# KiCad board mse-50-idc-panel.kicad_pcb (continued)
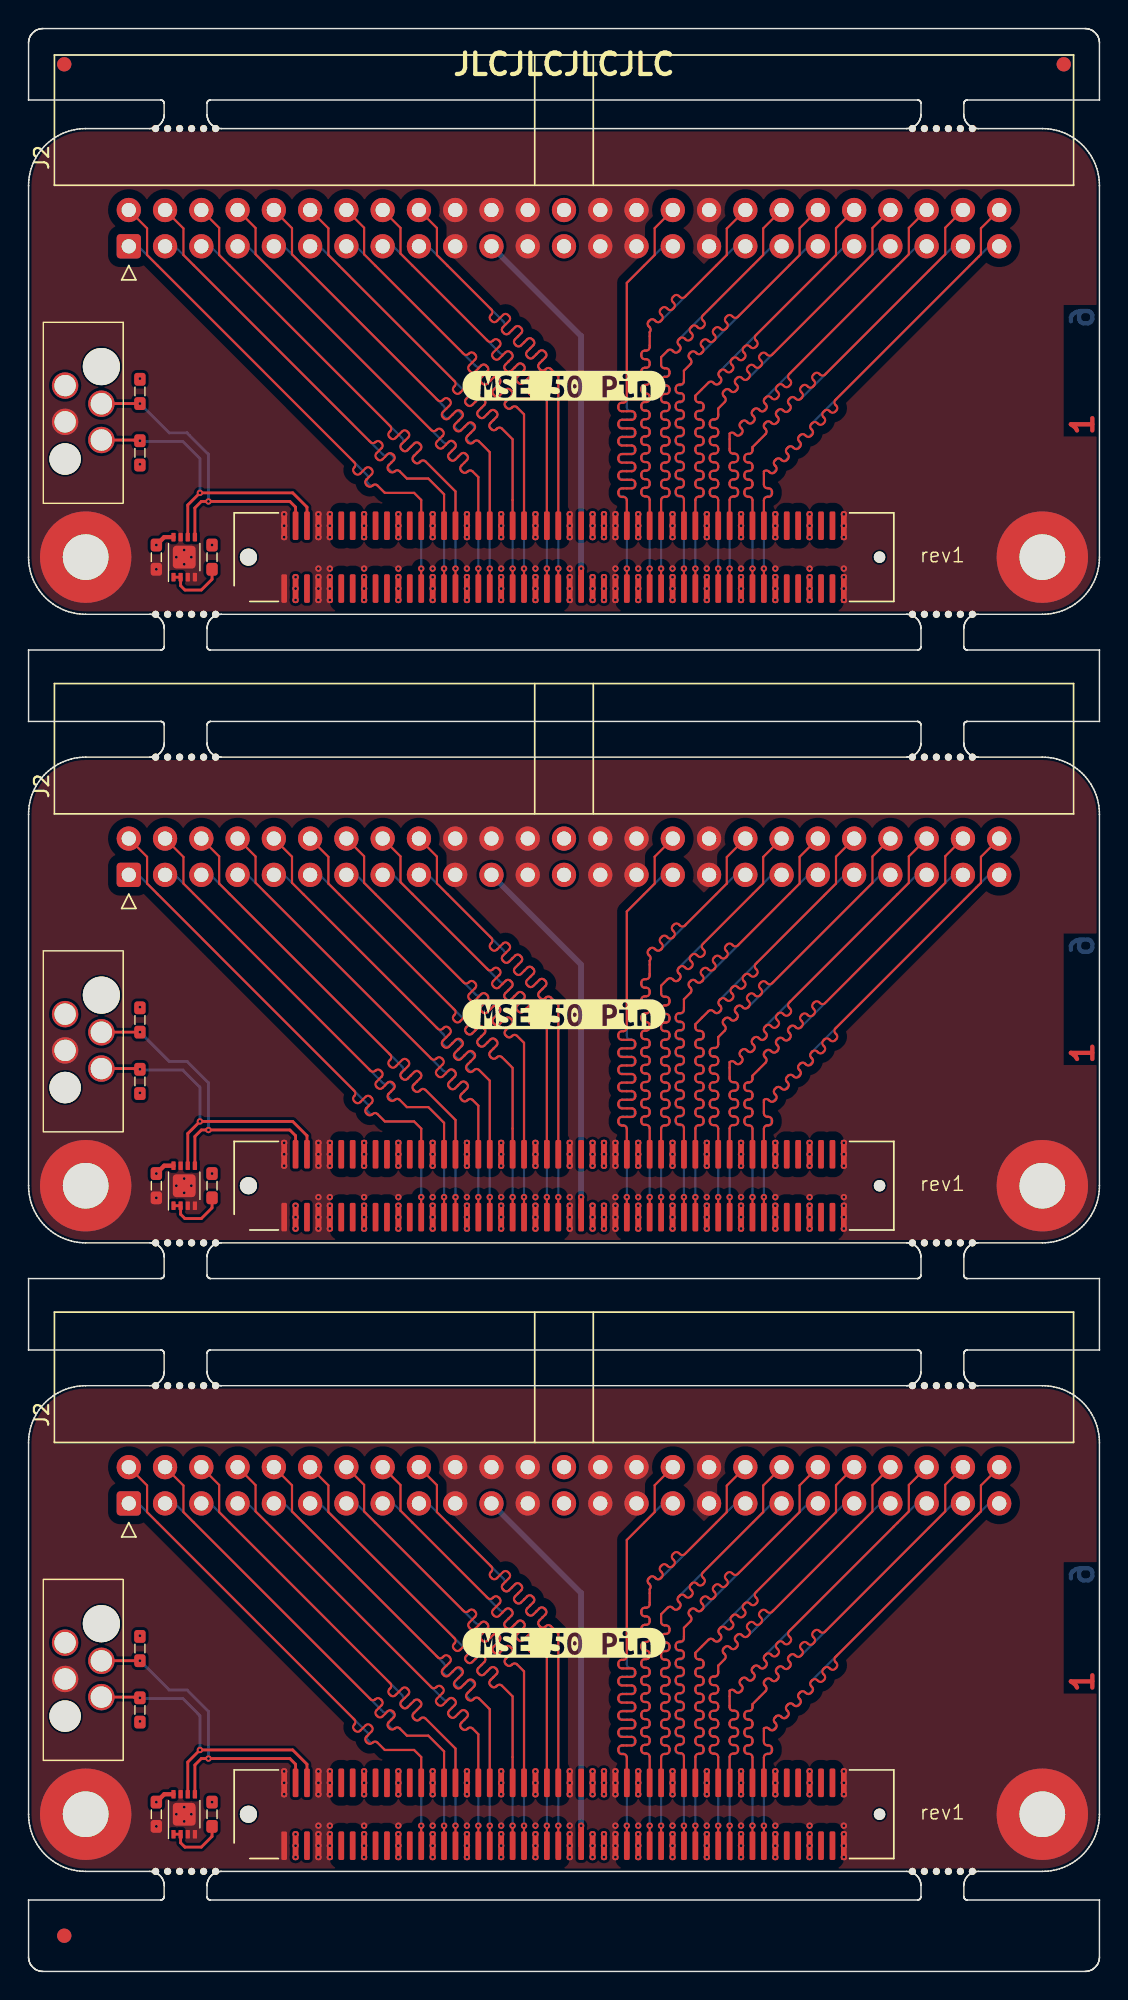
[diagram p0: board, top side]
## Routing (per net, layer and track width the routed paths; a pad name or vN(x,y) marks a point on that pad's centre or on a via; arc(x,y) is an arc through that point) (continued)
Board_1-/CON.DB4-: length 34
  Top w0.151: J1#2.38 32.3,62.35 31.55,63.1 arc(31.38,63.17) 31.21,63.1 31.13,63.02 arc(30.96,62.95) 30.79,63.02 30.71,63.11 arc(30.64,63.28) 30.71,63.45 31.21,63.95 arc(31.28,64.12) 31.21,64.29 31.12,64.37 arc(30.95,64.44) 30.78,64.37 30.28,63.87 arc(30.11,63.8) 29.94,63.87 29.86,63.96 arc(29.79,64.13) 29.86,64.3 30.36,64.8 arc(30.43,64.96) 30.36,65.13 30.27,65.22 arc(30.1,65.29) 29.93,65.22 29.43,64.72 arc(29.26,64.65) 29.09,64.72 29.01,64.8 arc(28.94,64.97) 29.01,65.14 29.51,65.64 arc(29.58,65.81) 29.51,65.98 29.42,66.07 arc(29.25,66.14) 29.08,66.07 29,65.99 arc(28.83,65.92) 28.66,65.99 18.45,76.2 18.45,78.03 J2#2.10
Board_1-/CON.DB5+: length 34.4
  Top w0.151: J1#2.41 v1(33.9,54.2)
  Bottom w0.151: v1(33.9,54.2) 33.9,63.25 33.15,64 arc(32.98,64.07) 32.81,64 32.77,63.95 arc(32.6,63.88) 32.43,63.95 32.34,64.04 arc(32.27,64.21) 32.34,64.38 32.77,64.81 arc(32.84,64.98) 32.77,65.15 32.69,65.23 arc(32.52,65.3) 32.35,65.23 31.92,64.8 arc(31.75,64.73) 31.58,64.8 31.5,64.89 arc(31.42,65.06) 31.5,65.23 31.93,65.66 arc(32,65.83) 31.93,66 31.84,66.08 arc(31.67,66.15) 31.5,66.08 31.07,65.65 arc(30.9,65.58) 30.73,65.65 30.65,65.74 arc(30.58,65.91) 30.65,66.08 30.69,66.12 arc(30.76,66.29) 30.69,66.46 20.39,76.76 J2#2.11
Board_1-/CON.DB5-: length 34
  Top w0.151: J1#2.42 33.9,63.25 33.15,64 arc(32.98,64.07) 32.81,64 32.76,63.95 arc(32.59,63.88) 32.42,63.95 32.33,64.04 arc(32.26,64.21) 32.33,64.38 32.77,64.82 arc(32.84,64.99) 32.77,65.16 32.69,65.24 arc(32.52,65.31) 32.35,65.24 31.91,64.8 arc(31.74,64.73) 31.57,64.8 31.49,64.89 arc(31.42,65.06) 31.49,65.23 31.93,65.67 arc(32,65.84) 31.93,66.01 31.84,66.09 arc(31.67,66.16) 31.5,66.09 31.06,65.65 arc(30.89,65.58) 30.72,65.65 30.64,65.73 arc(30.57,65.9) 30.64,66.07 31.08,66.51 arc(31.15,66.68) 31.08,66.85 30.99,66.94 arc(30.82,67.01) 30.65,66.94 30.21,66.5 arc(30.04,66.43) 29.87,66.5 29.79,66.58 arc(29.72,66.75) 29.79,66.92 29.84,66.97 arc(29.91,67.14) 29.84,67.31 21,76.15 21,78.02 J2#2.12
Board_1-/CON.DB6+: length 34.4
  Top w0.151: J1#2.43 v1(34.7,54.2)
  Bottom w0.151: J2#2.13 22.94,76.76 31.32,68.38 arc(31.49,68.31) 31.66,68.38 31.7,68.42 arc(31.86,68.49) 32.03,68.42 32.12,68.33 arc(32.19,68.16) 32.12,67.99 31.71,67.58 arc(31.64,67.41) 31.71,67.24 31.79,67.16 arc(31.96,67.09) 32.13,67.16 32.54,67.57 arc(32.71,67.64) 32.88,67.57 32.97,67.48 arc(33.04,67.31) 32.97,67.14 32.56,66.73 arc(32.49,66.56) 32.56,66.39 32.64,66.31 arc(32.81,66.24) 32.98,66.31 33.39,66.72 arc(33.56,66.79) 33.73,66.72 33.82,66.64 arc(33.89,66.47) 33.82,66.3 33.41,65.89 arc(33.34,65.72) 33.41,65.55 33.49,65.46 arc(33.66,65.39) 33.83,65.46 33.87,65.5 arc(34.04,65.57) 34.21,65.5 34.7,65 v1(34.7,54.2)
Board_1-/CON.DB6-: length 34
  Top w0.151: J1#2.44 34.7,65 34.21,65.49 arc(34.04,65.56) 33.87,65.49 33.83,65.45 arc(33.66,65.38) 33.49,65.45 33.4,65.53 arc(33.33,65.7) 33.4,65.87 33.83,66.3 arc(33.9,66.47) 33.83,66.64 33.74,66.72 arc(33.57,66.79) 33.4,66.72 32.98,66.3 arc(32.81,66.23) 32.64,66.3 32.56,66.38 arc(32.49,66.55) 32.56,66.72 32.98,67.15 arc(33.05,67.32) 32.98,67.49 32.9,67.57 arc(32.73,67.64) 32.56,67.57 32.13,67.15 arc(31.96,67.08) 31.79,67.15 31.71,67.23 arc(31.64,67.4) 31.71,67.57 32.13,67.99 arc(32.2,68.16) 32.13,68.33 32.05,68.42 arc(31.88,68.49) 31.71,68.42 31.28,67.99 arc(31.11,67.92) 30.94,67.99 30.86,68.08 arc(30.79,68.25) 30.86,68.42 31.28,68.84 arc(31.35,69.01) 31.28,69.18 31.2,69.27 arc(31.03,69.34) 30.86,69.27 30.82,69.22 arc(30.65,69.15) 30.48,69.22 23.5,76.2 23.5,78.06 J2#2.14
Board_1-/CON.DB7+: length 34.4
  Top w0.151: J1#2.47 v1(36.3,54.2)
  Bottom w0.151: J2#2.15 25.54,76.76 33.02,69.28 arc(33.19,69.21) 33.36,69.28 33.41,69.34 arc(33.58,69.41) 33.75,69.34 33.84,69.25 arc(33.91,69.08) 33.84,68.91 33.39,68.46 arc(33.32,68.29) 33.39,68.12 33.47,68.04 arc(33.64,67.97) 33.81,68.04 34.26,68.49 arc(34.43,68.56) 34.6,68.49 34.69,68.41 arc(34.76,68.24) 34.69,68.07 34.24,67.62 arc(34.17,67.45) 34.24,67.28 34.32,67.19 arc(34.49,67.12) 34.66,67.19 35.11,67.64 arc(35.28,67.71) 35.45,67.64 35.53,67.56 arc(35.61,67.39) 35.53,67.22 35.08,66.77 arc(35.01,66.6) 35.08,66.43 35.17,66.34 arc(35.34,66.27) 35.51,66.34 35.56,66.4 arc(35.73,66.47) 35.9,66.4 36.3,66 v1(36.3,54.2)
Board_1-/CON.DB7-: length 34
  Top w0.151: J1#2.48 36.3,66 35.9,66.4 arc(35.73,66.47) 35.56,66.4 35.5,66.34 arc(35.33,66.27) 35.16,66.34 35.08,66.43 arc(35.01,66.6) 35.08,66.77 35.53,67.23 arc(35.6,67.4) 35.53,67.57 35.45,67.65 arc(35.28,67.72) 35.11,67.65 34.65,67.19 arc(34.48,67.12) 34.31,67.19 34.23,67.28 arc(34.16,67.45) 34.23,67.62 34.69,68.08 arc(34.76,68.24) 34.69,68.41 34.6,68.5 arc(34.43,68.57) 34.26,68.5 33.8,68.04 arc(33.63,67.97) 33.46,68.04 33.38,68.13 arc(33.31,68.3) 33.38,68.46 33.84,68.92 arc(33.91,69.09) 33.84,69.26 33.75,69.35 arc(33.58,69.42) 33.41,69.35 32.95,68.89 arc(32.78,68.82) 32.61,68.89 32.53,68.97 arc(32.46,69.14) 32.53,69.31 32.99,69.77 arc(33.06,69.94) 32.99,70.11 32.9,70.2 arc(32.73,70.27) 32.56,70.2 32.5,70.14 arc(32.33,70.07) 32.17,70.14 26.05,76.25 26.05,78.05 J2#2.16
Board_1-/CON.DIFFSENSE: length 26.6
  Top w0.4: J1#2.53 v1(38.7,54.2)
  Bottom w0.4: v1(38.7,54.2) 38.7,70.48 J2#2.21
Board_1-/CON.DP0+: length 34.4
  Top w0.151: J1#2.49 v1(37.1,54.2)
  Bottom w0.151: v1(37.1,54.2) 37.1,67.65 36.58,68.17 arc(36.41,68.24) 36.24,68.17 36.19,68.12 arc(36.02,68.05) 35.85,68.12 35.77,68.21 arc(35.7,68.38) 35.77,68.55 36.2,68.99 arc(36.27,69.16) 36.2,69.33 36.12,69.41 arc(35.95,69.48) 35.78,69.41 35.34,68.97 arc(35.17,68.9) 35,68.97 34.92,69.06 arc(34.85,69.23) 34.92,69.4 35.36,69.83 arc(35.43,70) 35.36,70.17 35.27,70.26 arc(35.1,70.33) 34.93,70.26 34.49,69.82 arc(34.32,69.75) 34.15,69.82 34.07,69.91 arc(34,70.07) 34.07,70.24 34.51,70.68 arc(34.58,70.85) 34.51,71.02 34.42,71.11 arc(34.25,71.18) 34.08,71.11 33.64,70.67 arc(33.47,70.6) 33.31,70.67 33.22,70.75 arc(33.15,70.92) 33.22,71.09 33.27,71.14 arc(33.34,71.31) 33.27,71.48 27.99,76.76 J2#2.17
Board_1-/CON.DP0-: length 34
  Top w0.151: J2#2.18 28.6,78.04 28.6,76.15 32.42,72.33 arc(32.49,72.16) 32.42,72 32.37,71.94 arc(32.3,71.77) 32.37,71.6 32.45,71.52 arc(32.62,71.45) 32.79,71.52 33.23,71.96 arc(33.4,72.03) 33.57,71.96 33.66,71.88 arc(33.73,71.71) 33.66,71.54 33.21,71.09 arc(33.14,70.93) 33.21,70.76 33.3,70.67 arc(33.47,70.6) 33.64,70.67 34.08,71.11 arc(34.25,71.18) 34.42,71.11 34.51,71.03 arc(34.58,70.86) 34.51,70.69 34.06,70.25 arc(33.99,70.08) 34.06,69.91 34.15,69.82 arc(34.32,69.75) 34.49,69.82 34.93,70.26 arc(35.1,70.34) 35.27,70.26 35.35,70.18 arc(35.42,70.01) 35.35,69.84 34.91,69.4 arc(34.84,69.23) 34.91,69.06 35,68.97 arc(35.17,68.9) 35.34,68.97 35.78,69.42 arc(35.95,69.49) 36.12,69.42 36.2,69.33 arc(36.27,69.16) 36.2,68.99 35.76,68.55 arc(35.69,68.38) 35.76,68.21 35.84,68.12 arc(36.01,68.05) 36.18,68.12 36.24,68.18 arc(36.41,68.25) 36.58,68.18 37.1,67.65 J1#2.50
Board_1-/CON.I/O+: length 34.4
  Top w0.151: J1#2.85 v1(51.5,54.2)
  Bottom w0.151: J2#2.49 67.26,76.76 54.89,64.4 54.81,64.31 arc(54.74,64.14) 54.81,63.97 54.84,63.94 arc(54.91,63.77) 54.84,63.6 54.76,63.51 arc(54.59,63.44) 54.42,63.51 54.38,63.55 arc(54.22,63.62) 54.05,63.55 53.96,63.46 arc(53.89,63.29) 53.96,63.12 53.99,63.09 arc(54.06,62.92) 53.99,62.75 53.91,62.67 arc(53.74,62.6) 53.57,62.67 53.54,62.7 arc(53.37,62.77) 53.2,62.7 53.11,62.61 arc(53.04,62.44) 53.11,62.27 53.15,62.24 arc(53.22,62.07) 53.15,61.9 53.06,61.82 arc(52.89,61.75) 52.72,61.82 52.69,61.85 arc(52.52,61.92) 52.35,61.85 52.26,61.77 arc(52.19,61.6) 52.26,61.43 52.3,61.39 arc(52.37,61.22) 52.3,61.05 52.21,60.97 arc(52.04,60.9) 51.87,60.97 51.84,61 arc(51.67,61.07) 51.5,61 51.5,60.08 arc(51.57,59.91) 51.74,59.84 51.79,59.84 arc(51.96,59.77) 52.03,59.6 52.03,59.48 arc(51.96,59.31) 51.79,59.24 51.74,59.24 arc(51.57,59.17) 51.5,59 v1(51.5,54.2)
Board_1-/CON.I/O-: length 34
  Top w0.151: J1#2.86 51.5,58.98 arc(51.57,59.15) 51.74,59.22 51.83,59.22 arc(52,59.29) 52.07,59.46 52.07,59.58 arc(52,59.75) 51.83,59.82 51.74,59.82 arc(51.57,59.89) 51.5,60.06 51.5,61 arc(51.67,61.07) 51.84,61 51.9,60.94 arc(52.07,60.87) 52.24,60.94 52.33,61.02 arc(52.4,61.19) 52.33,61.36 52.26,61.43 arc(52.19,61.6) 52.26,61.77 52.35,61.85 arc(52.52,61.92) 52.69,61.85 52.75,61.79 arc(52.92,61.72) 53.09,61.79 53.18,61.87 arc(53.25,62.04) 53.18,62.21 53.11,62.27 arc(53.04,62.44) 53.11,62.61 53.2,62.7 arc(53.37,62.77) 53.54,62.7 53.6,62.63 arc(53.77,62.56) 53.94,62.63 54.03,62.72 arc(54.1,62.89) 54.03,63.06 53.96,63.12 arc(53.89,63.29) 53.96,63.46 54.05,63.55 arc(54.22,63.62) 54.38,63.55 54.45,63.48 arc(54.62,63.41) 54.79,63.48 54.87,63.57 arc(54.94,63.74) 54.87,63.91 54.81,63.97 arc(54.74,64.14) 54.81,64.31 54.89,64.4 arc(55.06,64.47) 55.23,64.4 55.3,64.33 arc(55.47,64.26) 55.64,64.33 55.72,64.42 arc(55.79,64.59) 55.72,64.76 55.66,64.82 arc(55.59,64.99) 55.66,65.16 55.74,65.24 arc(55.91,65.31) 56.08,65.24 56.15,65.18 arc(56.32,65.11) 56.49,65.18 56.57,65.26 arc(56.64,65.43) 56.57,65.6 56.51,65.67 arc(56.44,65.84) 56.51,66.01 56.59,66.09 66.7,76.2 66.7,78.02 J2#2.50
Board_1-/CON.MSG+: length 34.4
  Top w0.151: J1#2.73 v1(46.7,54.2)
  Bottom w0.151: v1(46.7,54.2) 46.7,58.99 arc(46.77,59.16) 46.94,59.23 47.06,59.23 arc(47.23,59.3) 47.3,59.47 47.3,59.59 arc(47.23,59.76) 47.06,59.83 46.94,59.83 arc(46.77,59.9) 46.7,60.07 46.7,60.19 arc(46.77,60.36) 46.94,60.43 47.06,60.43 arc(47.23,60.5) 47.3,60.67 47.3,60.79 arc(47.23,60.96) 47.06,61.03 46.94,61.03 arc(46.77,61.1) 46.7,61.27 46.7,61.39 arc(46.77,61.56) 46.94,61.63 47.06,61.63 arc(47.23,61.7) 47.3,61.87 47.3,61.99 arc(47.23,62.16) 47.06,62.23 46.94,62.23 arc(46.77,62.3) 46.7,62.47 46.7,62.59 arc(46.77,62.76) 46.94,62.83 47.06,62.83 arc(47.23,62.9) 47.3,63.07 47.3,63.19 arc(47.23,63.36) 47.06,63.43 46.94,63.43 arc(46.77,63.5) 46.7,63.67 46.7,63.79 arc(46.77,63.96) 46.94,64.03 47.06,64.03 arc(47.23,64.1) 47.3,64.27 47.3,64.39 arc(47.23,64.56) 47.06,64.63 46.94,64.63 arc(46.77,64.7) 46.7,64.87 46.7,64.99 arc(46.77,65.16) 46.94,65.23 47.06,65.23 arc(47.23,65.3) 47.3,65.47 47.3,65.59 arc(47.23,65.76) 47.06,65.83 46.94,65.83 arc(46.77,65.9) 46.7,66.07 46.7,66.3 47.62,67.22 arc(47.79,67.29) 47.96,67.22 48.04,67.14 arc(48.21,67.07) 48.38,67.14 48.47,67.22 arc(48.54,67.39) 48.47,67.56 48.38,67.65 arc(48.31,67.82) 48.38,67.98 48.47,68.07 57.16,76.76 J2#2.41
Board_1-/CON.MSG-: length 34
  Top w0.151: J1#2.74 46.7,59 arc(46.77,59.17) 46.94,59.24 47.03,59.24 arc(47.2,59.31) 47.27,59.48 47.27,59.6 arc(47.2,59.77) 47.03,59.84 46.94,59.84 arc(46.77,59.91) 46.7,60.08 46.7,60.2 arc(46.77,60.37) 46.94,60.44 47.03,60.44 arc(47.2,60.51) 47.27,60.68 47.27,60.8 arc(47.2,60.97) 47.03,61.04 46.94,61.04 arc(46.77,61.11) 46.7,61.28 46.7,61.4 arc(46.77,61.57) 46.94,61.64 47.03,61.64 arc(47.2,61.71) 47.27,61.88 47.27,62 arc(47.2,62.17) 47.03,62.24 46.94,62.24 arc(46.77,62.31) 46.7,62.48 46.7,62.6 arc(46.77,62.77) 46.94,62.84 47.03,62.84 arc(47.2,62.91) 47.27,63.08 47.27,63.2 arc(47.2,63.37) 47.03,63.44 46.94,63.44 arc(46.77,63.51) 46.7,63.68 46.7,63.8 arc(46.77,63.97) 46.94,64.04 47.03,64.04 arc(47.2,64.11) 47.27,64.28 47.27,64.4 arc(47.2,64.57) 47.03,64.64 46.94,64.64 arc(46.77,64.71) 46.7,64.88 46.7,65 arc(46.77,65.17) 46.94,65.24 47.03,65.24 arc(47.2,65.31) 47.27,65.48 47.27,65.6 arc(47.2,65.77) 47.03,65.84 46.94,65.84 arc(46.77,65.91) 46.7,66.08 46.7,66.3 47.62,67.22 arc(47.79,67.29) 47.96,67.22 48.02,67.16 arc(48.19,67.09) 48.36,67.16 48.45,67.24 arc(48.52,67.41) 48.45,67.58 48.38,67.65 arc(48.31,67.82) 48.38,67.98 48.47,68.07 arc(48.64,68.14) 48.81,68.07 48.87,68 arc(49.04,67.93) 49.21,68 49.3,68.09 arc(49.37,68.26) 49.3,68.43 49.23,68.49 arc(49.16,68.66) 49.23,68.83 49.32,68.92 arc(49.49,68.99) 49.66,68.92 49.72,68.85 arc(49.89,68.78) 50.06,68.85 50.15,68.94 arc(50.22,69.11) 50.15,69.28 50.08,69.34 arc(50.01,69.51) 50.08,69.68 50.16,69.77 arc(50.33,69.84) 50.5,69.77 50.57,69.7 arc(50.74,69.63) 50.91,69.7 50.99,69.79 arc(51.06,69.96) 50.99,70.13 50.93,70.19 arc(50.86,70.36) 50.93,70.53 51.01,70.62 56.55,76.15 56.55,78.03 J2#2.42
Board_1-/CON.REQ+: length 34.4
  Top w0.151: J1#2.83 v1(50.7,54.2)
  Bottom w0.151: v1(50.7,54.2) 50.7,59 arc(50.63,59.17) 50.46,59.24 50.4,59.24 arc(50.23,59.31) 50.16,59.48 50.16,59.6 arc(50.23,59.77) 50.4,59.84 50.46,59.84 arc(50.63,59.91) 50.7,60.08 50.7,60.2 arc(50.63,60.37) 50.46,60.44 50.4,60.44 arc(50.23,60.51) 50.16,60.68 50.16,60.8 arc(50.23,60.97) 50.4,61.04 50.46,61.04 arc(50.63,61.11) 50.7,61.28 50.7,61.4 arc(50.63,61.57) 50.46,61.64 50.4,61.64 arc(50.23,61.71) 50.16,61.88 50.16,62 arc(50.23,62.17) 50.4,62.24 50.46,62.24 arc(50.63,62.31) 50.7,62.48 50.7,62.7 51.62,63.62 arc(51.69,63.79) 51.62,63.96 51.58,64 arc(51.51,64.17) 51.58,64.34 51.66,64.42 arc(51.83,64.5) 52,64.42 52.04,64.38 arc(52.21,64.31) 52.38,64.38 52.47,64.47 arc(52.54,64.64) 52.47,64.81 52.43,64.85 arc(52.36,65.02) 52.43,65.19 52.51,65.27 arc(52.68,65.34) 52.85,65.27 52.89,65.23 arc(53.06,65.16) 53.23,65.23 53.32,65.32 arc(53.39,65.49) 53.32,65.66 53.28,65.7 arc(53.21,65.87) 53.28,66.04 53.36,66.12 arc(53.53,66.19) 53.7,66.12 53.74,66.08 arc(53.91,66.01) 54.08,66.08 54.16,66.17 64.76,76.76 J2#2.47
Board_1-/CON.REQ-: length 34
  Top w0.151: J2#2.48 64.2,78.06 64.2,76.2 55.86,67.86 55.78,67.78 arc(55.61,67.71) 55.44,67.78 55.37,67.84 arc(55.2,67.91) 55.03,67.84 54.95,67.76 arc(54.88,67.59) 54.95,67.42 55.01,67.35 arc(55.08,67.19) 55.01,67.02 54.93,66.93 arc(54.76,66.86) 54.59,66.93 54.52,66.99 arc(54.36,67.06) 54.19,66.99 54.1,66.91 arc(54.03,66.74) 54.1,66.57 54.16,66.51 arc(54.24,66.34) 54.16,66.17 54.08,66.08 arc(53.91,66.01) 53.74,66.08 53.68,66.15 arc(53.51,66.22) 53.34,66.15 53.25,66.06 arc(53.18,65.89) 53.25,65.72 53.32,65.66 arc(53.39,65.49) 53.32,65.32 53.23,65.23 arc(53.06,65.16) 52.89,65.23 52.83,65.3 arc(52.66,65.37) 52.49,65.3 52.4,65.21 arc(52.33,65.04) 52.4,64.87 52.47,64.81 arc(52.54,64.64) 52.47,64.47 52.38,64.38 arc(52.21,64.31) 52.04,64.38 51.98,64.45 arc(51.81,64.52) 51.64,64.45 51.56,64.36 arc(51.48,64.19) 51.56,64.02 51.62,63.96 arc(51.69,63.79) 51.62,63.62 50.7,62.7 50.7,62.47 arc(50.63,62.3) 50.46,62.23 50.37,62.23 arc(50.2,62.16) 50.13,61.99 50.13,61.87 arc(50.2,61.7) 50.37,61.63 50.46,61.63 arc(50.63,61.56) 50.7,61.39 50.7,61.27 arc(50.63,61.1) 50.46,61.03 50.37,61.03 arc(50.2,60.96) 50.13,60.79 50.13,60.67 arc(50.2,60.5) 50.37,60.43 50.46,60.43 arc(50.63,60.36) 50.7,60.19 50.7,60.07 arc(50.63,59.9) 50.46,59.83 50.37,59.83 arc(50.2,59.76) 50.13,59.59 50.13,59.47 arc(50.2,59.3) 50.37,59.23 50.46,59.23 arc(50.63,59.16) 50.7,58.99 J1#2.84
Board_1-/CON.RST+: length 34.4
  Top w0.151: J1#2.71 v1(45.9,54.2)
  Bottom w0.151: v1(45.9,54.2) 45.9,59 arc(45.83,59.17) 45.66,59.24 45.55,59.24 arc(45.38,59.31) 45.31,59.48 45.31,59.6 arc(45.38,59.77) 45.55,59.84 45.66,59.84 arc(45.83,59.91) 45.9,60.08 45.9,60.2 arc(45.83,60.37) 45.66,60.44 45.55,60.44 arc(45.38,60.51) 45.31,60.68 45.31,60.8 arc(45.38,60.97) 45.55,61.04 45.66,61.04 arc(45.83,61.11) 45.9,61.28 45.9,61.4 arc(45.83,61.57) 45.66,61.64 45.55,61.64 arc(45.38,61.71) 45.31,61.88 45.31,62 arc(45.38,62.17) 45.55,62.24 45.66,62.24 arc(45.83,62.31) 45.9,62.48 45.9,62.6 arc(45.83,62.77) 45.66,62.84 45.55,62.84 arc(45.38,62.91) 45.31,63.08 45.31,63.2 arc(45.38,63.37) 45.55,63.44 45.66,63.44 arc(45.83,63.51) 45.9,63.68 45.9,63.8 arc(45.83,63.97) 45.66,64.04 45.55,64.04 arc(45.38,64.11) 45.31,64.28 45.31,64.4 arc(45.38,64.57) 45.55,64.64 45.66,64.64 arc(45.83,64.71) 45.9,64.88 45.9,65 arc(45.83,65.17) 45.66,65.24 45.55,65.24 arc(45.38,65.31) 45.31,65.48 45.31,65.6 arc(45.38,65.77) 45.55,65.84 45.66,65.84 arc(45.83,65.91) 45.9,66.08 45.9,66.2 arc(45.83,66.37) 45.66,66.44 45.55,66.44 arc(45.38,66.51) 45.31,66.68 45.31,66.8 arc(45.38,66.97) 45.55,67.04 45.66,67.04 arc(45.83,67.11) 45.9,67.28 45.9,68.05 46.36,68.51 arc(46.43,68.68) 46.36,68.85 46.28,68.93 arc(46.21,69.1) 46.28,69.27 46.36,69.36 arc(46.53,69.43) 46.7,69.36 46.78,69.28 arc(46.95,69.2) 47.12,69.28 47.21,69.36 54.61,76.76 J2#2.39
Board_1-/CON.RST-: length 34
  Top w0.151: J2#2.40 54,78.02 54,76.15 49.67,71.82 arc(49.5,71.75) 49.33,71.82 49.26,71.89 arc(49.09,71.96) 48.92,71.89 48.84,71.8 arc(48.77,71.63) 48.84,71.46 48.91,71.4 arc(48.98,71.23) 48.91,71.06 48.82,70.97 arc(48.65,70.9) 48.48,70.97 48.42,71.04 arc(48.25,71.11) 48.08,71.04 47.99,70.95 arc(47.92,70.78) 47.99,70.61 48.06,70.55 arc(48.13,70.38) 48.06,70.21 47.97,70.12 arc(47.8,70.05) 47.63,70.12 47.57,70.19 arc(47.4,70.26) 47.23,70.19 47.14,70.1 arc(47.07,69.93) 47.14,69.76 47.21,69.7 arc(47.28,69.53) 47.21,69.36 47.12,69.28 arc(46.95,69.2) 46.78,69.28 46.72,69.34 arc(46.55,69.41) 46.38,69.34 46.29,69.26 arc(46.22,69.09) 46.29,68.92 46.36,68.85 arc(46.43,68.68) 46.36,68.51 45.9,68.05 45.9,67.33 arc(45.83,67.16) 45.66,67.09 45.57,67.09 arc(45.4,67.01) 45.33,66.85 45.33,66.73 arc(45.4,66.56) 45.57,66.49 45.66,66.49 arc(45.83,66.41) 45.9,66.25 45.9,66.13 arc(45.83,65.96) 45.66,65.89 45.57,65.89 arc(45.4,65.81) 45.33,65.65 45.33,65.53 arc(45.4,65.36) 45.57,65.29 45.66,65.29 arc(45.83,65.21) 45.9,65.05 45.9,64.93 arc(45.83,64.76) 45.66,64.69 45.57,64.69 arc(45.4,64.61) 45.33,64.45 45.33,64.33 arc(45.4,64.16) 45.57,64.09 45.66,64.09 arc(45.83,64.01) 45.9,63.85 45.9,63.73 arc(45.83,63.56) 45.66,63.49 45.57,63.49 arc(45.4,63.41) 45.33,63.25 45.33,63.13 arc(45.4,62.96) 45.57,62.89 45.66,62.89 arc(45.83,62.81) 45.9,62.65 45.9,62.53 arc(45.83,62.36) 45.66,62.29 45.57,62.29 arc(45.4,62.21) 45.33,62.05 45.33,61.93 arc(45.4,61.76) 45.57,61.69 45.66,61.69 arc(45.83,61.61) 45.9,61.45 45.9,61.33 arc(45.83,61.16) 45.66,61.09 45.57,61.09 arc(45.4,61.01) 45.33,60.85 45.33,60.73 arc(45.4,60.56) 45.57,60.49 45.66,60.49 arc(45.83,60.41) 45.9,60.25 45.9,60.13 arc(45.83,59.96) 45.66,59.89 45.57,59.89 arc(45.4,59.81) 45.33,59.65 45.33,59.53 arc(45.4,59.36) 45.57,59.29 45.66,59.29 arc(45.83,59.21) 45.9,59.05 J1#2.72
Board_1-/CON.SEL+: length 34.4
  Top w0.151: J1#2.77 v1(48.3,54.2)
  Bottom w0.151: v1(48.3,54.2) 48.3,59 arc(48.23,59.17) 48.06,59.24 47.97,59.24 arc(47.8,59.31) 47.73,59.48 47.73,59.6 arc(47.8,59.77) 47.97,59.84 48.06,59.84 arc(48.23,59.91) 48.3,60.08 48.3,60.2 arc(48.23,60.37) 48.06,60.44 47.97,60.44 arc(47.8,60.51) 47.73,60.68 47.73,60.8 arc(47.8,60.97) 47.97,61.04 48.06,61.04 arc(48.23,61.11) 48.3,61.28 48.3,61.4 arc(48.23,61.57) 48.06,61.64 47.97,61.64 arc(47.8,61.71) 47.73,61.88 47.73,62 arc(47.8,62.17) 47.97,62.24 48.06,62.24 arc(48.23,62.31) 48.3,62.48 48.3,62.6 arc(48.23,62.77) 48.06,62.84 47.97,62.84 arc(47.8,62.91) 47.73,63.08 47.73,63.2 arc(47.8,63.37) 47.97,63.44 48.06,63.44 arc(48.23,63.51) 48.3,63.68 48.3,63.8 arc(48.23,63.97) 48.06,64.04 47.97,64.04 arc(47.8,64.11) 47.73,64.28 47.73,64.4 arc(47.8,64.57) 47.97,64.64 48.06,64.64 arc(48.23,64.71) 48.3,64.88 48.3,65.4 48.76,65.86 arc(48.83,66.03) 48.76,66.2 48.7,66.26 arc(48.63,66.43) 48.7,66.6 48.78,66.69 arc(48.95,66.76) 49.12,66.69 49.18,66.63 arc(49.35,66.55) 49.52,66.63 49.61,66.71 arc(49.68,66.88) 49.61,67.05 49.55,67.11 arc(49.48,67.28) 49.55,67.45 49.63,67.54 arc(49.8,67.61) 49.97,67.54 50.03,67.47 arc(50.2,67.4) 50.37,67.47 50.46,67.56 59.66,76.76 J2#2.43
Board_1-/CON.SEL-: length 34
  Top w0.151: J1#2.78 48.3,59.01 arc(48.23,59.17) 48.06,59.25 47.95,59.25 arc(47.78,59.32) 47.71,59.49 47.71,59.61 arc(47.78,59.77) 47.95,59.85 48.06,59.85 arc(48.23,59.92) 48.3,60.09 48.3,60.21 arc(48.23,60.37) 48.06,60.45 47.95,60.45 arc(47.78,60.52) 47.71,60.69 47.71,60.81 arc(47.78,60.97) 47.95,61.05 48.06,61.05 arc(48.23,61.12) 48.3,61.29 48.3,61.41 arc(48.23,61.57) 48.06,61.65 47.95,61.65 arc(47.78,61.72) 47.71,61.89 47.71,62.01 arc(47.78,62.17) 47.95,62.25 48.06,62.25 arc(48.23,62.32) 48.3,62.49 48.3,62.61 arc(48.23,62.77) 48.06,62.85 47.95,62.85 arc(47.78,62.92) 47.71,63.09 47.71,63.21 arc(47.78,63.37) 47.95,63.45 48.06,63.45 arc(48.23,63.52) 48.3,63.69 48.3,63.81 arc(48.23,63.97) 48.06,64.05 47.95,64.05 arc(47.78,64.12) 47.71,64.29 47.71,64.41 arc(47.78,64.57) 47.95,64.65 48.06,64.65 arc(48.23,64.72) 48.3,64.89 48.3,65.4 48.76,65.86 arc(48.83,66.03) 48.76,66.2 48.68,66.28 arc(48.61,66.45) 48.68,66.62 48.77,66.7 arc(48.94,66.77) 49.1,66.7 49.18,66.63 arc(49.35,66.55) 49.52,66.63 49.61,66.71 arc(49.68,66.88) 49.61,67.05 49.53,67.13 arc(49.46,67.3) 49.53,67.47 49.61,67.55 arc(49.78,67.62) 49.95,67.55 50.03,67.47 arc(50.2,67.4) 50.37,67.47 50.46,67.56 arc(50.53,67.73) 50.46,67.9 50.38,67.98 arc(50.31,68.15) 50.38,68.32 50.46,68.4 arc(50.63,68.47) 50.8,68.4 50.88,68.32 arc(51.05,68.25) 51.22,68.32 51.31,68.41 arc(51.38,68.58) 51.31,68.75 51.23,68.83 arc(51.16,69) 51.23,69.17 51.31,69.25 arc(51.48,69.32) 51.65,69.25 51.73,69.17 arc(51.9,69.1) 52.07,69.17 52.15,69.26 59.1,76.2 59.1,78.04 J2#2.44
Board_1-/CON.TERMPWR:
  vias: v1(39.5,58) v1(39.5,57.2) v1(39.5,56.4) v1(39.5,53.6) v1(39.5,52.8) v1(39.5,52) v1(40.3,58) v1(40.3,57.2) v1(40.3,56.4) v1(40.3,53.6) v1(40.3,52.8) v1(40.3,52)
Board_1-/PHY.ID_SCL: length 22.5
  Top w0.2: J3.4 7.4,63.2 7.45,63.15 v1(7.8,63.15) ; J1#2.6 19.5,58.5 18.5,59.5 v1(12,59.5) 11.15,58.65 U1#2.6
  Bottom w0.2: v1(7.8,63.15) 7.85,63.1 10.8,63.1 12,61.9 v1(12,59.5)
Board_1-/PHY.ID_SDA: length 23
  Top w0.2: U1#2.5 11.65,58.45 12.1,58.9 18.3,58.9 18.7,58.5 J1#2.4 ; J3.2 5.11,65.75 v1(7.8,65.75)
  Bottom w0.2: v1(7.8,65.75) 9.85,63.7 11.1,63.7 12.6,62.2 v1(12.6,58.9)
Board_1-GND:
  vias: v1(8.95,54.15) v1(10.35,55) v1(10.9,55.5) v1(10.9,54.5) v1(11.4,55) v1(17.9,58) v1(17.9,57.2) v1(17.9,56.4) v1(20.3,58) v1(20.3,57.2) v1(20.3,56.4) v1(20.3,54.2) v1(20.3,53.6) v1(20.3,52.8) v1(20.3,52) v1(21.1,58) v1(21.1,57.2) v1(21.1,56.4) v1(21.1,54.2) v1(21.1,53.6) v1(21.1,52.8) v1(21.1,52) v1(23.5,58) v1(23.5,57.2) v1(23.5,56.4) v1(23.5,54.2) v1(23.5,53.6) v1(23.5,52.8) v1(23.5,52) v1(25.9,58) v1(25.9,57.2) v1(25.9,56.4) v1(25.9,54.2) v1(25.9,53.6) v1(25.9,52.8) v1(25.9,52) v1(28.3,58) v1(28.3,57.2) v1(28.3,56.4) v1(28.3,54.2) v1(28.3,53.6) v1(28.3,52.8) v1(28.3,52) v1(30.7,58) v1(30.7,57.2) v1(30.7,56.4) v1(30.7,54.2) v1(30.7,53.6) v1(30.7,52.8) v1(30.7,52) v1(33.1,58) v1(33.1,57.2) v1(33.1,56.4) v1(33.1,54.2) v1(33.1,53.6) v1(33.1,52.8) v1(33.1,52) v1(35.5,58) v1(35.5,57.2) v1(35.5,56.4) v1(35.5,54.2) v1(35.5,53.6) v1(35.5,52.8) v1(35.5,52) v1(37.9,58) v1(37.9,57.2) v1(37.9,56.4) v1(37.9,54.2) v1(37.9,53.6) v1(37.9,52.8) v1(37.9,52) v1(41.1,58) v1(41.1,57.2) v1(41.1,56.4) v1(41.1,54.2) v1(41.1,53.6) v1(41.1,52.8) v1(41.1,52) v1(42.7,58) v1(42.7,57.2) v1(42.7,56.4) v1(42.7,54.2) v1(42.7,53.6) v1(42.7,52.8) v1(42.7,52) v1(45.1,58) v1(45.1,57.2) v1(45.1,56.4) v1(45.1,54.2) v1(45.1,53.6) v1(45.1,52.8) v1(45.1,52) v1(47.5,58) v1(47.5,57.2) v1(47.5,56.4) v1(47.5,54.2) v1(47.5,53.6) v1(47.5,52.8) v1(47.5,52) v1(49.9,58) v1(49.9,57.2) v1(49.9,56.4) v1(49.9,54.2) v1(49.9,53.6) v1(49.9,52.8) v1(49.9,52) v1(52.3,58) v1(52.3,57.2) v1(52.3,56.4) v1(52.3,54.2) v1(52.3,53.6) v1(52.3,52.8) v1(52.3,52) v1(54.7,58) v1(54.7,57.2) v1(54.7,56.4) v1(54.7,54.2) v1(54.7,53.6) v1(54.7,52.8) v1(54.7,52) v1(57.1,58) v1(57.1,57.2) v1(57.1,56.4) v1(57.1,54.2) v1(57.1,53.6) v1(57.1,52.8) v1(57.1,52)
Board_1-Net-(U1-E0): length 4.4
  Top w0.2: U1#2.1 U1#2.2 10.65,53 10.95,52.7 12.1,52.7 12.85,53.45 R1.1
Board_2-+3V3: length 1.4
  Top w0.3: v1(8.95,11.85) 9.5,12.4 U1#3.8
  vias: v1(7.8,23.5) v1(7.8,17.5) v1(12.85,11.85) v1(18.7,9.6) v1(18.7,8.8) v1(18.7,8)
Board_2-/CON.ACK+: length 34.4
  Top w0.151: J1.67 v1(44.3,10.2)
  Bottom w0.151: J2.37 52.06,32.76 45.61,26.31 45.52,26.23 arc(45.45,26.06) 45.52,25.89 45.59,25.82 arc(45.66,25.65) 45.59,25.48 45.5,25.4 arc(45.33,25.33) 45.16,25.4 45.1,25.46 arc(44.93,25.53) 44.76,25.46 44.3,25 44.3,24.48 arc(44.37,24.31) 44.54,24.24 44.63,24.24 arc(44.8,24.17) 44.87,24 44.87,23.88 arc(44.8,23.71) 44.63,23.64 44.54,23.64 arc(44.37,23.57) 44.3,23.4 44.3,23.28 arc(44.37,23.11) 44.54,23.04 44.63,23.04 arc(44.8,22.97) 44.87,22.8 44.87,22.68 arc(44.8,22.51) 44.63,22.44 44.54,22.44 arc(44.37,22.37) 44.3,22.2 44.3,22.08 arc(44.37,21.91) 44.54,21.84 44.63,21.84 arc(44.8,21.77) 44.87,21.6 44.87,21.48 arc(44.8,21.31) 44.63,21.24 44.54,21.24 arc(44.37,21.17) 44.3,21 44.3,20.88 arc(44.37,20.71) 44.54,20.64 44.63,20.64 arc(44.8,20.57) 44.87,20.4 44.87,20.28 arc(44.8,20.11) 44.63,20.04 44.54,20.04 arc(44.37,19.97) 44.3,19.8 44.3,19.68 arc(44.37,19.51) 44.54,19.44 44.63,19.44 arc(44.8,19.37) 44.87,19.2 44.87,19.08 arc(44.8,18.91) 44.63,18.84 44.54,18.84 arc(44.37,18.77) 44.3,18.6 44.3,18.48 arc(44.37,18.31) 44.54,18.24 44.63,18.24 arc(44.8,18.17) 44.87,18 44.87,17.88 arc(44.8,17.71) 44.63,17.64 44.54,17.64 arc(44.37,17.57) 44.3,17.4 44.3,17.28 arc(44.37,17.11) 44.54,17.04 44.63,17.04 arc(44.8,16.97) 44.87,16.8 44.87,16.68 arc(44.8,16.51) 44.63,16.44 44.54,16.44 arc(44.37,16.37) 44.3,16.2 44.3,16.08 arc(44.37,15.91) 44.54,15.84 44.63,15.84 arc(44.8,15.77) 44.87,15.6 44.87,15.48 arc(44.8,15.31) 44.63,15.24 44.54,15.24 arc(44.37,15.17) 44.3,15 v1(44.3,10.2)
